# KiCad board vme-wren.kicad_pcb (continued)
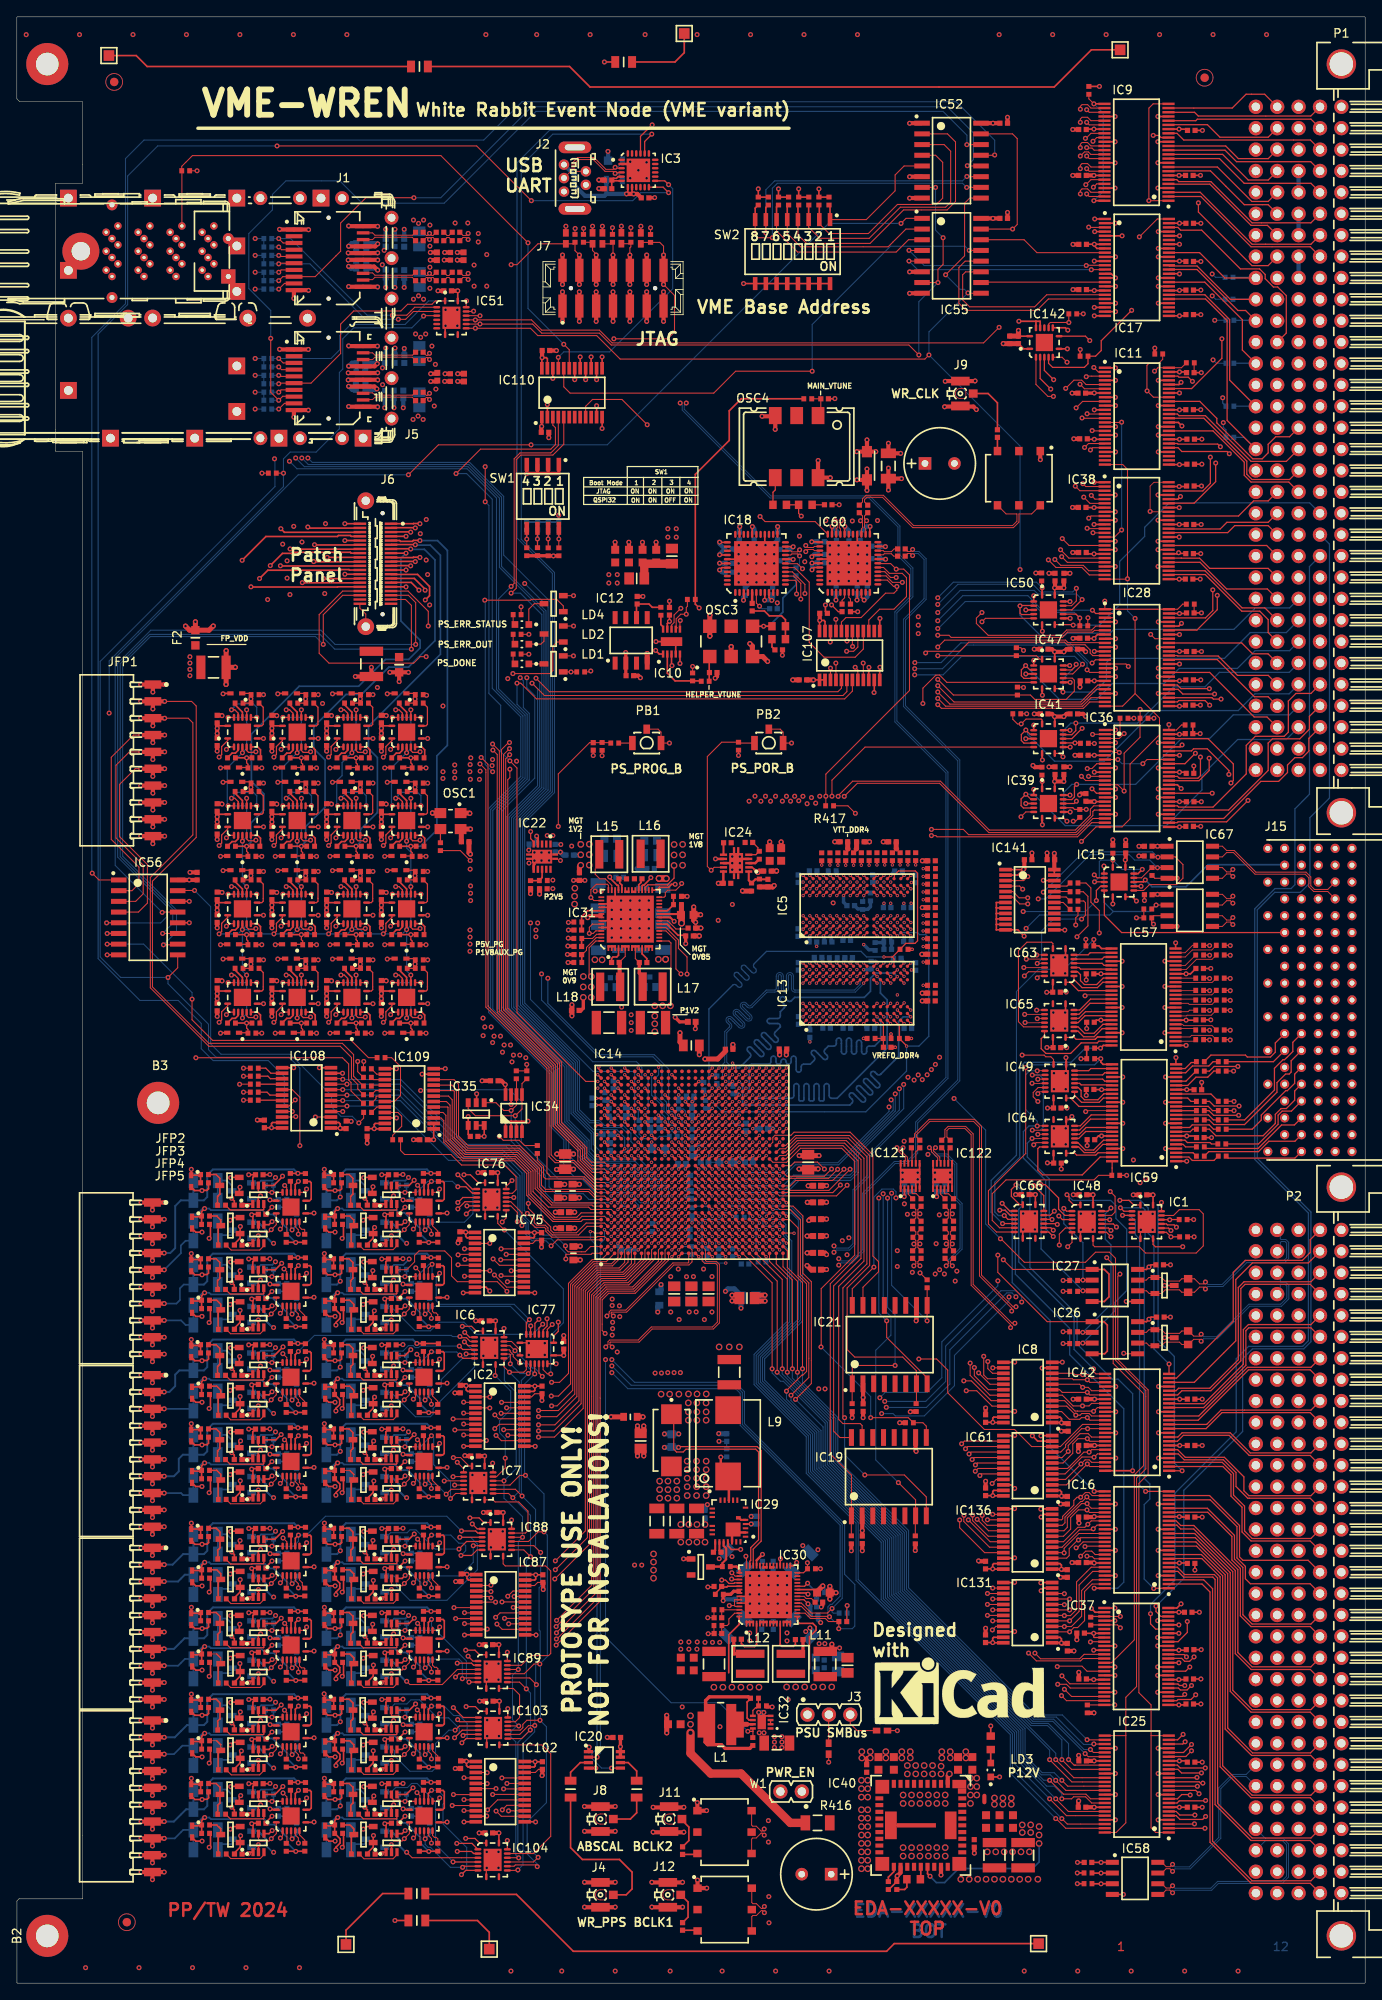
[diagram p0: board, top side]
## Routing (per net, layer and track width the routed paths; a pad name or vN(x,y) marks a point on that pad's centre or on a via; arc(x,y) is an arc through that point) (continued)
  Bottom Layer w0.125: v2(54.2,51.94) 54.2,49.97 52.59,48.35 R588.1
  Bottom Layer w0.2: R588.1 49.02,47.95 v2(48.5,47.43)
/io_drivers_fp/bank2/EN3: length 21.9
  Top Layer w0.125: 54,50.78 54.66,51.44 IC88.7
  Top Layer w0.15: IC90.13 45.5,51.89 45.37,52.03 44.53,52.03 44.48,52.08 IC92.5 ; v2(52.75,50.78) 54,50.78
  Top Layer w0.2: IC90.10 48.87,52.82 v2(49.25,53.2)
  L3 w0.125: v2(49.25,53.2) 47.94,54.5 45.66,54.5 45.37,54.21 45.37,52.6 v2(46.1,51.88)
  Bottom Layer w0.125: v2(52.75,50.78) 53.3,51.34 53.3,51.94 53,52.24 52.49,52.24 51.53,53.2 v2(49.25,53.2)
  Bottom Layer w0.2: v2(46.1,51.88) 46.28,52.07 R178.1
/io_drivers_fp/bank2/EN4: length 45.8
  Top Layer w0.125: IC94.5 28.7,37.42 28.94,37.18 29.95,37.18 v2(30.22,37.46) 30.82,38.05 IC93.1 ; IC93.4 32.57,37.56 v2(32.7,37.43)
  Top Layer w0.15: IC89.2 54.17,38.24 v2(53.59,38.82)
  L8 w0.125: v2(53.59,38.82) 53.1,38.82 52.2,39.73 52.2,41.83 49.23,44.79 37.05,44.79 36.73,45.11 33.4,45.11 32.9,44.6 32.9,43.08 32.02,42.2 31.54,42.2 31.37,42.37 30.1,42.37 29.59,41.86 29.59,38.09 v2(30.22,37.46) 30.63,37.04 32.31,37.04 v2(32.7,37.43)
  Bottom Layer w0.2: v2(32.7,37.43) 33.22,37.95 R589.1
/io_drivers_fp/bank2/EN5: length 35.1
  Top Layer w0.15: IC89.3 54.24,37.74 53.99,37.99 v2(52.3,37.99) ; IC93.13 29.7,41.89 29.57,42.03 28.73,42.03 28.68,42.08 IC95.5
  Top Layer w0.2: IC93.10 33.07,42.82 v2(33.45,43.2)
  L8 w0.125: v2(52.3,37.99) 52.3,39.27 47.03,44.54 37.14,44.54 35.79,43.2 v2(33.45,43.2) 32.13,41.88 v2(30.3,41.88)
  Bottom Layer w0.2: v2(30.3,41.88) 30.48,42.07 R196.1
/io_drivers_fp/bank2/EN6: length 17.4
  Top Layer w0.125: v2(48.5,37.43) 48.37,37.56 IC99.4 ; IC100.5 44.5,37.42 44.74,37.18 45.75,37.18 v2(46.02,37.46) 46.62,38.05 IC99.1
  Top Layer w0.15: v2(52.91,36.14) 53.01,36.24 IC89.6
  L10 w0.125: v2(46.02,37.46) 46.43,37.04 48.11,37.04 v2(48.5,37.43)
  Bottom Layer w0.125: R591.1 49.15,38.48 52.51,38.48 52.91,38.08 v2(52.91,36.14)
  Bottom Layer w0.2: v2(48.5,37.43) 49.02,37.95 R591.1
/io_drivers_fp/bank2/EN7: length 19.8
  Top Layer w0.125: IC101.5 44.48,42.12 44.56,42.04 45.23,42.04 45.4,41.88 v2(46.1,41.88) 46.11,41.89 IC99.13
  Top Layer w0.15: v2(53.7,35.74) IC89.7
  Top Layer w0.2: v2(49.25,43.2) 48.87,42.82 IC99.10
  Bottom Layer w0.125: 49.45,42.19 53.39,38.25 53.39,36.05 v2(53.7,35.74) ; 49.45,42.19 49.15,41.88 v2(46.1,41.88) ; 49.45,42.19 49.25,42.4 v2(49.25,43.2)
  Bottom Layer w0.2: v2(46.1,41.88) 46.28,42.07 R274.1
/io_drivers_fp/bank2/IOEXP_D: length 10.1
  Top Layer w0.125: IC7.9 56.55,57.39 56.8,57.14 59.6,57.14 60.7,56.04 60.7,53.74 60.4,53.44 IC88.14
/io_drivers_fp/bank2/OUT0: length 42.3
  Top Layer w0.125: v2(31.3,47.53) 31.57,47.8 IC96.2 ; v2(58.3,45.94) 58.93,46.56 IC87.21 ; IC96.5 33.07,47.8 33.44,47.43 v2(33.44,46.93)
  L3 w0.125: v2(31.3,47.53) 31.9,46.93 v2(33.44,46.93) 33.44,49.76 38.76,55.09 49.16,55.09 51.5,52.74 51.5,50.84 52.8,49.54 55.08,49.54 58.3,46.32 v2(58.3,45.94)
/io_drivers_fp/bank2/OUT1: length 37.7
  Top Layer w0.125: IC87.20 v2(59.07,45.91) ; v2(31.61,52.86) 32.07,52.4 IC96.12 ; v2(34.41,52.29) 34.02,51.89 IC96.9
  L3 w0.125: v2(31.61,52.86) 32.18,52.29 v2(34.41,52.29) 34.91,52.29 38.21,55.59 49.36,55.59 51.8,53.14 51.8,51.04 52.7,50.14 54.84,50.14 59.06,45.91 v2(59.07,45.91)
/io_drivers_fp/bank2/OUT2: length 18.4
  Top Layer w0.125: IC90.2 47.37,47.8 v2(47.1,47.53) ; v2(49.24,46.93) 49.24,47.48 48.87,47.85 IC90.5 ; IC87.19 v2(57.61,45.26)
  L3 w0.125: v2(47.1,47.53) 47.7,46.93 v2(49.24,46.93) 52.82,46.93 53.72,47.84 56.43,47.84 56.82,47.45 56.82,46.06 v2(57.61,45.26)
/io_drivers_fp/bank2/OUT3: length 25.6
  Top Layer w0.125: v2(50.21,52.29) 49.82,51.89 IC90.9 ; v2(47.6,52.72) 47.87,52.45 IC90.12 ; v2(58.95,44.61) IC87.18
  L3 w0.125: v2(50.21,52.29) 48.03,52.29 v2(47.6,52.72) 47.61,52.7 47.61,48.74 46.61,47.73 46.61,47.09 47.26,46.44 54.28,46.44 56.08,44.64 58.93,44.64 v2(58.95,44.61)
/io_drivers_fp/bank2/OUT4: length 36.9
  Top Layer w0.125: IC93.5 33.07,37.8 33.44,37.43 v2(33.44,36.93) ; IC87.17 57.39,43.96 v2(56.86,43.44) ; v2(31.3,37.53) 31.57,37.8 IC93.2
  L3 w0.125: v2(31.3,37.53) 31.9,36.93 v2(33.44,36.93) 33.44,39.76 34.81,41.14 37.52,41.14 38.21,41.83 42.2,41.83 42.74,42.37 46.3,42.37 46.78,41.89 48.62,41.89 49.52,42.78 52.36,42.78 52.83,43.25 56.68,43.25 v2(56.86,43.44)
/io_drivers_fp/bank2/OUT5: length 32.6
  Top Layer w0.125: IC93.9 34.02,41.89 v2(34.41,42.29) ; v2(57.91,43.31) IC87.16 ; v2(31.8,42.72) 32.07,42.46 IC93.12
  L3 w0.125: v2(31.8,42.72) 32.24,42.29 v2(34.41,42.29) 35.01,42.29 37.36,44.64 50.01,44.64 50.45,45.07 54.23,45.07 55.26,44.04 57.19,44.04 v2(57.91,43.31)
/io_drivers_fp/bank2/OUT6: length 19.7
  Top Layer w0.125: v2(47.1,37.53) 47.37,37.8 IC99.2 ; v2(49.24,36.93) 49.24,37.47 48.87,37.84 IC99.5 ; v2(58.41,42.66) IC87.15
  L3 w0.125: v2(58.41,42.66) 56.55,40.8 54,40.8 53.44,40.24 50.51,40.24 49.24,38.96 v2(49.24,36.93) 47.7,36.93 v2(47.1,37.53)
/io_drivers_fp/bank2/OUT7: length 15.5
  Top Layer w0.125: v2(47.59,42.72) 47.87,42.45 IC99.12 ; IC87.14 57.64,42.01 v2(57.01,42.64) ; v2(50.21,42.29) 49.82,41.89 IC99.9
  L3 w0.125: v2(50.21,42.29) 51.41,42.29 51.71,41.99 54.06,41.99 54.71,42.64 v2(57.01,42.64)
  L10 w0.125: v2(47.59,42.72) 48.03,42.29 v2(50.21,42.29)
/io_drivers_fp/bank2/TERM_EN0: length 48.5
  Top Layer w0.15: IC88.15 v2(58.75,54.99)
  L8 w0.125: v2(30.5,45.84) 29.5,46.83 29.5,54.74 30.5,55.74 53.99,55.74 54.74,54.99 v2(58.75,54.99)
  Bottom Layer w0.2: 29.33,47.69 29.56,47.46 ; 29.33,47.69 28.68,48.34 ; 29.33,47.69 28.68,48.34 ; 29.33,47.69 29.56,47.46 ; 29.56,47.46 29.56,46.67 ; 29.56,47.46 29.56,46.67 ; 29.56,46.67 30.39,45.84 ; 29.56,46.67 30.39,45.84 ; 30.39,45.84 v2(30.5,45.84) 30.39,45.84 ; 28.68,48.34 T50.1 28.68,48.34
/io_drivers_fp/bank2/TERM_EN1: length 29.5
  Top Layer w0.15: IC88.1 55.45,54.69 54.9,55.24 v2(53.8,55.24)
  L8 w0.125: v2(53.8,55.24) 32.3,55.24 v2(30.72,53.66)
  Bottom Layer w0.2: T27.1 28.75,53.02 29.01,53.29 30.35,53.29 v2(30.72,53.66)
/io_drivers_fp/bank2/TERM_EN2: length 22.4
  Top Layer w0.15: IC88.4 52.61,52.94 v2(52.6,52.94)
  Bottom Layer w0.125: v2(52.6,52.94) 53.9,52.94 54.69,52.14 54.69,49.08 51.07,45.45 46.69,45.45 45.1,47.03 45.1,48.04 44.8,48.34 T48.1
/io_drivers_fp/bank2/TERM_EN3: length 12.8
  Top Layer w0.15: v2(52.5,51.54) 53.41,52.44 IC88.5
  Bottom Layer w0.125: v2(52.5,51.54) 49.68,51.54 47.4,53.82 46.68,53.82 46.35,53.48 44.38,53.48 44.06,53.16
/io_drivers_fp/bank2/TERM_EN4: length 41.8
  Top Layer w0.15: IC89.15 v2(58.25,39.29)
  L8 w0.125: v2(58.25,39.29) 54.57,39.29 54.57,35.92 53.72,35.07 52.23,35.07 51.86,35.44 47.39,35.44 46.5,36.33 46.1,36.33 45.92,36.16 42.82,36.16 42.1,35.44 30.9,35.44 v2(30.5,35.84)
  Bottom Layer w0.2: 29.56,36.67 30.39,35.84 ; 29.56,36.67 29.56,37.46 ; 29.56,36.67 29.56,37.46 ; 29.56,36.67 30.39,35.84 ; 30.39,35.84 v2(30.5,35.84) 30.39,35.84 ; 29.33,37.69 29.56,37.46 ; 29.33,37.69 28.68,38.34 ; 29.33,37.69 29.56,37.46 ; 29.33,37.69 28.68,38.34 ; 28.68,38.34 T49.1 28.68,38.34
/io_drivers_fp/bank2/TERM_EN5: length 32.7
  Top Layer w0.15: IC89.1 54.95,38.99 54.4,39.54 v2(53.3,39.54)
  L8 w0.125: v2(53.3,39.54) 52.74,39.54 52.45,39.83 52.45,41.93 49.34,45.04 37.15,45.04 36.83,45.36 32.42,45.36 v2(30.72,43.66)
  Bottom Layer w0.2: T25.1 28.75,43.02 29.01,43.29 30.35,43.29 v2(30.72,43.66)
/io_drivers_fp/bank2/TERM_EN6: length 17.6
  Top Layer w0.125: v2(46.3,35.84) 46.69,35.45 50.52,35.45 52.31,37.24 IC89.4
  Bottom Layer w0.2: 45.36,37.46 45.36,36.67 ; 45.36,37.46 45.13,37.69 ; 45.36,37.46 45.13,37.69 ; 45.36,37.46 45.36,36.67 ; 45.36,36.67 46.19,35.84 ; 45.36,36.67 46.19,35.84 ; 45.13,37.69 44.48,38.34 ; 45.13,37.69 44.48,38.34 ; 44.48,38.34 T51.1 44.48,38.34 ; 46.19,35.84 v2(46.3,35.84) 46.19,35.84
/io_drivers_fp/bank2/TERM_EN7: length 16.4
  Top Layer w0.15: IC89.5 52.5,36.74 v2(52.1,36.34)
  L8 w0.125: v2(52.1,36.34) 51.82,36.63 51.82,39.4 47.28,43.94 46.81,43.94 v2(46.52,43.66)
  Bottom Layer w0.2: v2(46.52,43.66) 46.15,43.29 44.81,43.29 44.55,43.02 T29.1
/io_drivers_fp/bank3/EN0: length 37.7
  Top Layer w0.125: IC105.4 32.57,27.26 v2(32.7,27.13) ; IC106.5 28.7,27.12 28.94,26.88 29.95,26.88 v2(30.22,27.16) 30.82,27.75 IC105.1
  Top Layer w0.15: IC103.2 53.01,31.54 v2(51.84,32.71)
  L8 w0.125: v2(51.84,32.71) 51.84,33.55 51,34.39 37.61,34.39 32.7,29.48 v2(32.7,27.13) 32.31,26.74 30.63,26.74 v2(30.22,27.16)
  Bottom Layer w0.2: R592.1 33.22,27.65 v2(32.7,27.13)
/io_drivers_fp/bank3/EN1: length 34.8
  Top Layer w0.15: IC105.13 29.84,31.59 29.71,31.73 28.73,31.73 28.68,31.78 IC111.5 ; v2(52.35,31.29) 52.6,31.04 IC103.3
  Top Layer w0.2: IC105.10 33.07,32.52 v2(33.45,32.9)
  L8 w0.125: v2(30.3,31.58) 32.13,31.58 v2(33.45,32.9) 35.76,32.9 37.5,34.64 51.6,34.64 52.35,33.89 v2(52.35,31.29)
  Bottom Layer w0.2: R287.1 30.48,31.77 v2(30.3,31.58)
/io_drivers_fp/bank3/EN2: length 17
  Top Layer w0.125: v2(48.5,27.13) 48.37,27.26 IC118.4 ; IC119.5 44.5,27.12 44.74,26.88 45.75,26.88 v2(46.02,27.16) 46.62,27.75 IC118.1
  Top Layer w0.15: v2(52.99,29.4) 53.13,29.54 IC103.6
  L8 w0.125: v2(52.99,29.4) 52.99,29.38 50.74,27.13 v2(48.5,27.13) 47.91,27.72 46.59,27.72 v2(46.02,27.16)
  Bottom Layer w0.2: v2(48.5,27.13) 49.02,27.65 R595.1
/io_drivers_fp/bank3/EN3: length 19.5
  Top Layer w0.15: IC103.7 53.36,29.04 v2(52.85,28.54) ; IC118.13 45.48,31.59 45.35,31.73 44.53,31.73 44.48,31.78 IC120.5
  Top Layer w0.2: IC118.10 48.87,32.52 v2(49.25,32.9)
  L10 w0.125: v2(46.1,31.58) 47.93,31.58 v2(49.25,32.9)
  Bottom Layer w0.125: v2(52.85,28.54) 53.48,29.16 53.48,30.85 52.56,31.78 51.87,31.78 50.74,32.9 v2(49.25,32.9)
  Bottom Layer w0.2: v2(46.1,31.58) 46.28,31.77 R302.1
/io_drivers_fp/bank3/EN4: length 36.9
  Top Layer w0.125: IC113.5 28.7,17.12 28.94,16.88 29.95,16.88 v2(30.22,17.16) 30.82,17.75 IC112.1 ; v2(32.7,17.13) 32.57,17.26 IC112.4
  Top Layer w0.15: IC104.2 54.05,16.59 v2(52.25,16.59)
  L8 w0.125: v2(30.22,17.16) 30.63,16.74 32.31,16.74 v2(32.7,17.13) 32.7,17.43 38.02,22.76 46.08,22.76 v2(52.25,16.59)
  Bottom Layer w0.2: v2(32.7,17.13) 33.22,17.65 R593.1
/io_drivers_fp/bank3/EN5: length 37.5
  Top Layer w0.15: IC112.13 29.83,21.59 29.7,21.73 28.73,21.73 28.68,21.78 IC114.5 ; v2(52.3,15.64) 53.99,15.64 54.24,15.39 IC104.3
  Top Layer w0.2: IC112.10 33.07,22.52 v2(33.45,22.9)
  L8 w0.125: v2(30.3,21.58) 32.13,21.58 v2(33.45,22.9) 35.79,22.9 37.24,24.34 46.76,24.34 52.74,18.36 52.74,16.07 v2(52.3,15.64)
  Bottom Layer w0.2: R288.1 30.48,21.77 v2(30.3,21.58)
/io_drivers_fp/bank3/EN6: length 17.8
  Top Layer w0.125: IC116.5 44.5,17.12 44.74,16.88 45.75,16.88 v2(46.02,17.16) 46.62,17.75 IC115.1 ; v2(48.5,17.13) 48.37,17.26 IC115.4
  Top Layer w0.15: IC104.6 53.08,13.89 v2(52.94,13.75)
  L10 w0.125: v2(46.02,17.16) 46.59,17.72 47.91,17.72 v2(48.5,17.13)
  Bottom Layer w0.125: v2(48.5,17.13) 48.5,16.48 48.85,16.13 49.13,16.13 49.6,15.65 49.6,15.64 51.49,13.75 v2(52.94,13.75)
  Bottom Layer w0.2: R594.1 49.02,17.65 v2(48.5,17.13)
/io_drivers_fp/bank3/EN7: length 24.2
  Top Layer w0.15: IC115.13 45.63,21.59 45.5,21.73 44.79,21.73 44.48,22.04 IC117.5 ; v2(52.8,12.89) 53.31,13.39 IC104.7
  Top Layer w0.2: v2(49.25,22.9) 48.87,22.52 IC115.10
  L10 w0.125: v2(46.1,21.58) 47.93,21.58 v2(49.25,22.9)
  Bottom Layer w0.125: v2(52.8,12.89) 53.43,13.51 53.43,16.1 50.61,18.92 50.61,21.25 50.7,21.34 50.7,22.19 49.99,22.9 v2(49.25,22.9)
  Bottom Layer w0.2: R301.1 46.28,21.77 v2(46.1,21.58)
/io_drivers_fp/bank3/IOEXP_D: length 7.1
  Top Layer w0.125: IC103.14 59.2,31.04 59.7,31.54 59.7,34.24 58.95,34.99 IC89.9
/io_drivers_fp/bank3/OUT0: length 46.7
  Top Layer w0.125: v2(31.3,27.23) 31.57,27.5 IC105.2 ; IC102.21 v2(57.6,24.36) ; v2(33.44,26.63) 33.44,27.14 33.07,27.51 IC105.5
  L3 w0.125: v2(31.3,27.23) 31.9,26.63 v2(33.44,26.63) 33.51,26.63 35.81,28.94 35.81,32.92 37.28,34.39 56.16,34.39 56.77,33.78 56.77,30.88 57.74,29.9 57.74,28.66 57.6,28.52 v2(57.6,24.36)
/io_drivers_fp/bank3/OUT1: length 43.1
  Top Layer w0.125: IC105.12 32.07,32.13 v2(31.78,32.41) ; IC102.20 v2(58.2,23.71) ; v2(34.41,31.99) 34.02,31.59 IC105.9
  L3 w0.125: v2(58.2,23.71) 58.2,31.1 57.82,31.49 57.82,32.79 57.9,32.88 57.9,34.24 57.36,34.79 50.56,34.79 50.48,34.87 36.28,34.87 34.41,33 v2(34.41,31.99) 32.21,31.99 v2(31.78,32.41)
/io_drivers_fp/bank3/OUT2: length 17.5
  Top Layer w0.125: IC118.5 48.87,27.53 49.24,27.16 v2(49.24,26.63) ; IC102.19 v2(57.81,23.06) ; v2(47.1,27.23) 47.37,27.5 IC118.2
  L3 w0.125: v2(57.81,23.06) 56.69,24.18 54.77,24.18 52.31,26.63 v2(49.24,26.63) 47.7,26.63 v2(47.1,27.23)
/io_drivers_fp/bank3/OUT3: length 26.3
  Top Layer w0.125: v2(56.51,22.4) 56.52,22.41 IC102.18 ; IC118.12 47.87,32.14 v2(47.56,32.44) ; v2(50.21,31.99) 49.82,31.59 IC118.9
  L3 w0.125: v2(50.21,31.99) 50.2,32 48,32 v2(47.56,32.44) 47.54,32.43 47.54,28.37 46.61,27.43 46.61,26.89 47.36,26.14 52.3,26.14 56.05,22.4 v2(56.51,22.4)
/io_drivers_fp/bank3/OUT4: length 35.9
  Top Layer w0.125: v2(33.44,16.63) 33.44,17.24 33.07,17.61 IC112.5 ; v2(31.3,17.23) 31.57,17.5 IC112.2 ; v2(55.9,20.58) 57.09,21.76 IC102.17
  L3 w0.125: v2(55.9,20.58) 55.24,21.24 52.74,21.24 52.4,21.58 51.5,21.58 51.43,21.5 47.81,21.5 46.55,22.76 39.44,22.76 35.86,19.18 35.86,19.01 33.49,16.63 v2(33.44,16.63) 31.9,16.63 v2(31.3,17.23)
/io_drivers_fp/bank3/OUT5: length 34.1
  Top Layer w0.125: v2(57.65,20.58) 58.19,21.11 IC102.16 ; v2(31.61,22.58) 32.07,22.13 IC112.12 ; v2(34.41,21.99) 34.02,21.59 IC112.9
  L3 w0.125: v2(31.61,22.58) 32.47,22.58 33.06,21.99 v2(34.41,21.99) 34.91,21.99 37.13,24.2 46.95,24.2 48.74,22.41 49.95,22.41 50.41,22.88 53.57,22.88 54.6,21.84 54.9,21.84 54.91,21.85 56.38,21.85 v2(57.65,20.58)
/io_drivers_fp/bank3/OUT6: length 17.6
  Top Layer w0.125: v2(58.39,20.46) 58.4,20.46 IC102.15 ; v2(49.24,16.63) 49.24,17.18 48.87,17.55 IC115.5 ; IC115.2 47.37,17.5 v2(47.1,17.23)
  L3 w0.125: v2(58.39,20.46) 56.66,18.73 53.69,18.73 51.6,16.63 v2(49.24,16.63) 47.7,16.63 v2(47.1,17.23)
/io_drivers_fp/bank3/OUT7: length 16.1
  Top Layer w0.125: v2(50.21,21.99) 49.82,21.59 IC115.9 ; IC102.14 57.54,19.81 v2(56.92,20.43) ; IC115.12 47.87,22.28 v2(47.52,22.62)
  L5 w0.125: v2(56.92,20.43) 56.22,21.13 53.08,21.13 52.31,21.89 50.31,21.89 v2(50.21,21.99) 48.16,21.99 v2(47.52,22.62)
/io_drivers_fp/bank3/TERM_EN0: length 48.4
  Top Layer w0.15: IC103.15 v2(58.3,32.59)
  L8 w0.125: v2(58.3,32.59) 54.36,32.59 51.81,35.14 30.8,35.14 29.5,33.84 29.5,26.53 v2(30.5,25.54)
  Bottom Layer w0.2: 28.68,28.04 T52.1 28.68,28.04 ; 28.68,28.04 29.33,27.39 ; 28.68,28.04 29.33,27.39 ; 30.39,25.54 v2(30.5,25.54) 30.39,25.54 ; 30.39,25.54 29.56,26.37 ; 30.39,25.54 29.56,26.37 ; 29.56,26.37 29.56,27.16 ; 29.56,26.37 29.56,27.16 ; 29.56,27.16 29.33,27.39 ; 29.56,27.16 29.33,27.39
/io_drivers_fp/bank3/TERM_EN1: length 30.1
  Top Layer w0.15: v2(53.35,32.84) 54.45,32.84 55,32.29 IC103.1
  L8 w0.125: v2(30.72,33.36) 32.25,34.89 51.71,34.89 52.6,33.99 52.6,33.59 v2(53.35,32.84)
  Bottom Layer w0.2: T31.1 28.75,32.72 29.01,32.99 30.35,32.99 v2(30.72,33.36)
/io_drivers_fp/bank3/TERM_EN2: length 16.6
  Top Layer w0.15: v2(52.05,30.04) 52.56,30.54 IC103.4
  Bottom Layer w0.125: T55.1 44.41,28.04 44.85,27.6 44.85,26.98 46.69,25.15 49.32,25.15 49.73,25.56 49.73,28.45 51.31,30.04 v2(52.05,30.04)
/io_drivers_fp/bank3/TERM_EN3: length 15.2
  Top Layer w0.15: IC103.5 52.89,30.04 51.99,29.14 v2(51.98,29.14)
  Bottom Layer w0.125: T39.1 44.43,32.72 44.86,33.15 46.32,33.15 46.81,33.64 47.82,33.64 49.96,31.5 51.28,31.5 52.54,30.24 52.54,29.7 v2(51.98,29.14)
/io_drivers_fp/bank3/TERM_EN4: length 51.2
  Top Layer w0.15: IC104.15 v2(58.25,16.94)
  L8 w0.125: v2(58.25,16.94) 54.75,16.94 54,17.68 54,18.93 53.31,19.63 52.18,19.63 51.17,20.63 51.17,22.31 49.68,23.81 49.68,24.05 48.88,24.84 37.05,24.84 36.83,25.06 30.72,25.06 29.57,23.91 29.57,16.46 v2(30.5,15.54)
  Bottom Layer w0.2: 28.68,18.04 29.33,17.39 ; 28.68,18.04 T53.1 28.68,18.04 ; 28.68,18.04 29.33,17.39 ; 29.33,17.39 29.56,17.16 ; 29.33,17.39 29.56,17.16 ; 30.39,15.54 v2(30.5,15.54) 30.39,15.54 ; 30.39,15.54 29.56,16.37 ; 29.56,16.37 29.56,17.16 ; 29.56,16.37 29.56,17.16
/io_drivers_fp/bank3/TERM_EN5: length 32.7
  Top Layer w0.15: v2(53.3,17.19) 54.4,17.19 54.95,16.64 IC104.1
  L8 w0.125: v2(53.3,17.19) 53.3,18.15 46.87,24.59 36.95,24.59 36.73,24.81 32.17,24.81 v2(30.72,23.36)
  Bottom Layer w0.2: v2(30.72,23.36) 30.35,22.99 29.01,22.99 28.75,22.72 T35.1
/io_drivers_fp/bank3/TERM_EN6: length 16.9
  Top Layer w0.125: v2(46.3,15.54) 46.95,14.89 IC104.4
  Bottom Layer w0.2: 45.36,17.16 45.36,16.37 ; 45.36,17.16 45.13,17.39 ; 45.36,17.16 45.36,16.37 ; 45.36,17.16 45.13,17.39 ; 45.36,16.37 46.19,15.54 ; 45.36,16.37 46.19,15.54 ; 45.13,17.39 44.48,18.04 ; 45.13,17.39 44.48,18.04 ; 46.19,15.54 v2(46.3,15.54) 46.19,15.54 ; 44.48,18.04 T54.1 44.48,18.04
/io_drivers_fp/bank3/TERM_EN7: length 18.3
  Top Layer w0.15: IC104.5 51.82,14.39 v2(51.8,14.4)
  Bottom Layer w0.125: v2(51.8,14.4) 49.73,16.48 49.73,21.52 47.53,23.71 46.88,23.71 46.39,23.22 44.99,23.22 44.48,22.72 T37.1
/io_drivers_fp/F_IO0: length 32.9
  Top Layer w0.125: IC75.4 v2(53.16,87.19)
  Top Layer w0.15: 72.2,92.67 IC14.E9
  Top Layer w0.2: v2(46.11,90.42) 45.74,90.05 IC33.4
  L5 w0.125: v2(53.16,87.19) 52.96,87.38 52.15,87.38 49.11,90.42 v2(46.11,90.42)
  L8 w0.125: v2(53.16,87.19) 53.76,87.19 58.66,92.09 66.7,92.09 67.66,93.05 71.8,93.05 v1(72.19,92.66)
/io_drivers_fp/F_IO1: length 39
  Top Layer w0.125: IC75.3 v2(56.17,87.84)
  Top Layer w0.15: 75.4,92.67 IC14.J9
  Top Layer w0.2: IC43.4 46.56,94.71 v2(47.19,95.33)
  L5 w0.125: v2(47.19,95.33) 48.02,95.33 50.6,92.75 50.6,91 53.77,87.84 v2(56.17,87.84)
  L8 w0.125: v2(56.17,87.84) 56.92,88.59 64.08,88.59 67.76,92.27 75,92.27 v1(75.39,92.66)
/io_drivers_fp/F_IO2: length 53.5
  Top Layer w0.125: v2(52.4,86.48) 52.46,86.54 IC75.5
  Top Layer w0.15: 76.2,91.87 IC14.K8
  Top Layer w0.2: v2(30.31,90.42) 29.94,90.05 IC45.4
  L5 w0.125: v2(30.31,90.42) 32.63,90.42 35.87,87.18 51.37,87.18 52.07,86.48 v2(52.4,86.48)
  L8 w0.125: v2(52.4,86.48) 55.76,86.48 57.62,88.34 64.18,88.34 67.32,91.47 71.25,91.47 75.8,91.47 v1(76.19,91.86)
/io_drivers_fp/F_IO3: length 49.7
  Top Layer w0.125: IC75.6 53.26,85.89 v2(53.21,85.93)
  Top Layer w0.15: v1(70.6,90.3) 70.63,90.3 IC14.C6
  Top Layer w0.2: v2(31.55,95.82) 31.55,95.76 30.51,94.71 IC46.4
  L5 w0.125: v2(31.55,95.82) 31.56,95.82 34.67,92.71 41.29,92.71 45.57,88.43 50.62,88.43 51.92,87.13 52.27,87.13 52.41,86.99 52.61,86.99 53.21,86.39 v2(53.21,85.93)
  L8 w0.125: v2(53.21,85.93) 55.57,85.93 57.73,88.09 65.5,88.09 67.71,90.3 v1(70.6,90.3)
/io_drivers_fp/F_IO4: length 53.2
  Top Layer w0.125: IC75.7 52.46,85.24 v2(52.4,85.3)
  Top Layer w0.15: 73,91.07 IC14.F7
  Top Layer w0.2: v2(30.31,80.42) 29.94,80.05 IC54.4
  L5 w0.125: v2(30.31,80.42) 32.74,82.86 38.61,82.86 40.89,85.13 46.41,85.13 47.34,84.2 48.93,84.2 50.02,85.3 v2(52.4,85.3)
  L8 w0.125: v2(52.4,85.3) 52.41,85.31 65.47,85.31 66.13,85.97 66.13,88.36 67.63,89.86 70.89,89.86 71,89.98 71,90.42 71.23,90.65 72.58,90.65 v1(72.99,91.06)
/io_drivers_fp/F_IO5: length 51.7
  Top Layer w0.125: IC75.8 v2(56.17,84.59)
  Top Layer w0.15: 73,90.27 IC14.F6
  Top Layer w0.2: IC68.4 30.69,84.71 v2(31.45,85.47)
  L5 w0.125: v2(56.17,84.59) 53.74,84.59 52.91,85.42 52.91,85.51 52.61,85.81 52.1,85.81 51.27,86.64 41.06,86.64 40.56,86.14 35.46,86.14 34.04,84.71 33.09,84.71 32.33,85.47 v2(31.45,85.47)
  L8 w0.125: v1(72.99,90.26) 72.6,89.87 71.26,89.87 71,89.62 71,89.18 70.88,89.05 70.11,89.05 67.69,86.62 67.69,85.96 66.79,85.06 60.98,85.06 60.01,84.1 58.51,84.1 58.02,84.59 v2(56.17,84.59)
/io_drivers_fp/F_IO6: length 36.1
  Top Layer w0.125: IC75.9 v2(53.16,83.94)
  Top Layer w0.15: 73,89.47 IC14.F5
  Top Layer w0.2: IC70.4 45.74,80.05 v2(46.11,80.42)
  L5 w0.125: v2(53.16,83.94) 50.71,83.94 47.2,80.42 v2(46.11,80.42)
  L8 w0.125: v1(72.99,89.46) 72.6,89.07 71.26,89.07 71,88.82 71,86.2 69.61,84.81 61.08,84.81 59.01,82.74 54.36,82.74 v2(53.16,83.94)
/io_drivers_fp/F_IO7: length 35.9
  Top Layer w0.125: IC71.4 46.31,84.71 47.24,85.64 47.24,86.41 47.76,86.94 50.81,86.94 51.63,86.12 51.63,83.97 52.31,83.29 IC75.10 57.06,83.29 v2(58.2,82.14)
  Top Layer w0.15: 72.2,88.67 IC14.E4
  L8 w0.125: v1(72.19,88.66) 71.8,88.27 71.8,86.65 69.39,84.24 61.85,84.24 59.75,82.14 v2(58.2,82.14)
/io_drivers_fp/F_IO8: length 59.8
  Top Layer w0.125: IC14.B1 69.44,85.91 68.34,85.91 65.51,83.09 65.51,72.4 64.45,71.34 v2(63.5,71.34) ; v2(53.06,68.99) 53.09,68.96 IC2.4
  Top Layer w0.2: v2(30.31,70.22) 29.94,69.85 IC79.4
  L5 w0.125: v2(30.31,70.22) 32.72,72.63 39.41,72.63 40.31,73.54 42.55,73.54 43.19,74.17 46.29,74.17 51.48,68.99 v2(53.06,68.99)
  L8 w0.125: v2(53.06,68.99) 55.45,71.37 63.47,71.37 v2(63.5,71.34)
/io_drivers_fp/F_IO9: length 61.1
  Top Layer w0.125: v2(56.17,69.59) 56.14,69.61 IC2.3 ; v2(63.47,69.71) 64.32,69.71 65.76,71.15 65.76,82.98 68.44,85.66 69.99,85.66 IC14.C1
  Top Layer w0.2: v2(31.61,75.55) 30.57,74.51 IC80.4
  L5 w0.125: v2(56.17,69.59) 51.7,69.59 46.34,74.95 34.18,74.95 33.75,74.51 32.64,74.51 31.61,75.53 v2(31.61,75.55)
  L8 w0.125: v2(56.17,69.59) 56.77,70.19 62.99,70.19 v2(63.47,69.71)
/io_drivers_fp/F_IO10: length 46.7
  Top Layer w0.125: IC14.D2 71.39,87.07 71.39,86.18 70.63,85.41 68.56,85.41 66.01,82.87 66.01,70.4 64.15,68.54 v2(63.5,68.54) ; v2(56.17,68.29) 56.14,68.31 IC2.5
  Top Layer w0.2: IC82.4 45.74,69.85 v2(46.11,70.22)
  L5 w0.125: v2(56.17,68.29) 51.11,68.29 49.17,70.22 v2(46.11,70.22)
  L8 w0.125: v2(56.17,68.29) 56.65,68.77 56.65,69.09 57.5,69.94 62.55,69.94 63.5,68.99 v2(63.5,68.54)
/io_drivers_fp/F_IO11: length 57.8
  Top Layer w0.125: v2(53.06,67.69) 53.09,67.66 IC2.6 ; IC14.D1 71.79,86.22 70.73,85.16 68.66,85.16 66.26,82.76 66.26,69.95 64.3,67.99 v2(61.95,67.99)
  Top Layer w0.2: v2(46.79,75.21) 46.08,74.51 IC83.4
  L5 w0.125: v2(53.06,67.69) 56.26,67.69 56.68,68.11 56.68,70.75 54.76,72.67 50.11,72.67 48.63,74.15 48.63,74.69 48.16,75.16 46.84,75.16 v2(46.79,75.21)
  L8 w0.125: v2(53.06,67.69) 56.26,67.69 57.08,68.51 57.08,69.16 57.36,69.45 60.49,69.45 v2(61.95,67.99)
/io_drivers_fp/F_IO12: length 65.8
  Top Layer w0.125: IC2.7 54.44,66.99 v2(51.81,66.99) ; IC14.E2 72.18,87.06 72.18,85.57 71.53,84.91 68.79,84.91 66.51,82.63 66.51,69.65 64.13,67.26 v2(61.95,67.26)
  Top Layer w0.2: IC85.4 29.94,59.85 v2(30.31,60.22)
  L5 w0.125: v2(30.31,60.22) 32.47,62.39 38.77,62.39 41.33,64.95 43.19,64.95 45.03,66.79 50.96,66.79 51.16,66.99 v2(51.81,66.99)
  L8 w0.125: v2(51.81,66.99) 60.3,66.99 60.58,67.26 v2(61.95,67.26)
/io_drivers_fp/F_IO13: length 64
  Top Layer w0.125: IC2.8 53.09,66.36 v2(53.06,66.39) ; IC14.E1 72.59,85.62 71.63,84.66 68.9,84.66 66.76,82.53 66.76,69.15 63.9,66.29 v2(61.95,66.29)
  Top Layer w0.2: v2(31.39,65.13) 30.76,64.51 IC86.4
  L5 w0.125: v2(31.39,65.13) 32.37,65.13 32.98,64.51 33.64,64.51 35.01,65.89 37.61,65.89 38.16,66.44 43.76,66.44 44.41,67.09 50.56,67.09 50.95,67.47 52.01,67.47 53.06,66.43 v2(53.06,66.39)
  L8 w0.125: v2(61.95,66.29) 60.29,66.29 60,66.57 54,66.57 53.82,66.39 v2(53.06,66.39)
/io_drivers_fp/F_IO14: length 52
  Top Layer w0.125: IC2.9 54.44,65.69 v2(52.01,65.69) ; v2(61.95,65.56) 63.78,65.56 67.01,68.8 67.01,82.39 69.03,84.41 71.96,84.41 72.99,85.44 72.99,87.06 IC14.F2
  Top Layer w0.2: IC73.4 45.74,59.85 v2(46.11,60.22)
  L5 w0.125: v2(46.11,60.22) 46.11,60.68 50,64.58 50.1,64.58 51.21,65.69 v2(52.01,65.69)
  L8 w0.125: v2(61.95,65.56) 59.68,65.56 58.92,66.32 56.56,66.32 55.92,65.69 v2(52.01,65.69)
/io_drivers_fp/F_IO15: length 49.6
  Top Layer w0.125: IC14.F1 73.39,85.49 72.07,84.16 69.14,84.16 67.26,82.29 67.26,68.25 63.85,64.84 v2(61.95,64.84) ; IC2.10 53.09,65.06 v2(53.06,65.09)
  Top Layer w0.2: IC74.4 46.56,64.51 v2(47.19,65.13)
  L5 w0.125: v2(53.06,65.09) 53.06,65.33 52.21,66.17 49.83,66.17 49.57,66.43 48.49,66.43 v2(47.19,65.13)
  L8 w0.125: v2(61.95,64.84) 61.55,64.44 56.45,64.44 55.8,65.09 v2(53.06,65.09)
/io_drivers_fp/F_IO16: length 85.8
  Top Layer w0.125: IC14.H2 74.59,87.06 74.59,85.98 72.27,83.66 69.41,83.66 67.76,82.01 67.76,52.9 v2(63.95,49.09) ; v2(56.3,46.49) 56.23,46.56 IC87.4
  Top Layer w0.2: 29.35,48.05 29.95,48.05 v2(30.32,48.42)
  L5 w0.125: v2(30.32,48.42) 34.98,48.42 37.09,50.54 42.73,50.54 43.02,50.83 44.71,50.83 45.9,49.64 49.48,49.64 52.63,46.49 v2(56.3,46.49)
  L8 w0.125: v2(63.95,49.09) 57.85,49.09 56.79,48.03 56.79,47.04 56.51,46.75 56.3,46.75 v2(56.3,46.49)
/io_drivers_fp/F_IO17: length 85.6
  Top Layer w0.125: v2(56.3,47.24) 56.28,47.21 54.56,47.21 ; IC14.G1 74.19,85.93 72.17,83.91 69.24,83.91 67.51,82.18 67.51,53.7 v2(63.95,50.14)
  Top Layer w0.2: v2(31.56,53.63) 30.64,52.71 IC98.4
  L5 w0.125: v2(31.56,53.63) 31.56,53.62 32.48,52.71 33.74,52.71 34.08,53.06 45.94,53.06 46.8,52.2 48.93,52.2 49.51,52.77 50.41,52.77 50.98,52.21 50.98,50.37 51.7,49.64 53.9,49.64 v2(56.3,47.24)
  L8 w0.125: v2(56.3,47.24) 56.3,48.34 57.6,49.64 63.47,49.64 63.95,50.13 v2(63.95,50.14)
/io_drivers_fp/F_IO18: length 67.7
  Top Layer w0.125: v2(63.89,47.99) 68.01,52.11 68.01,81.91 69.51,83.41 72.38,83.41 72.97,84 72.97,84 74.99,86.02 IC14.H1 ; v2(56.31,45.74) 56.14,45.91 IC87.5
  Top Layer w0.2: v2(46.12,48.42) 45.75,48.05 45.15,48.05
  L5 w0.125: v2(46.12,48.42) 50.03,48.42 52.71,45.74 v2(56.31,45.74)
  L8 w0.125: v2(63.89,47.99) 58.56,47.99 v2(56.31,45.74)
